# Altium PCB 2017_FDP_PCB.PcbDoc (part 2 of 3) (continued)
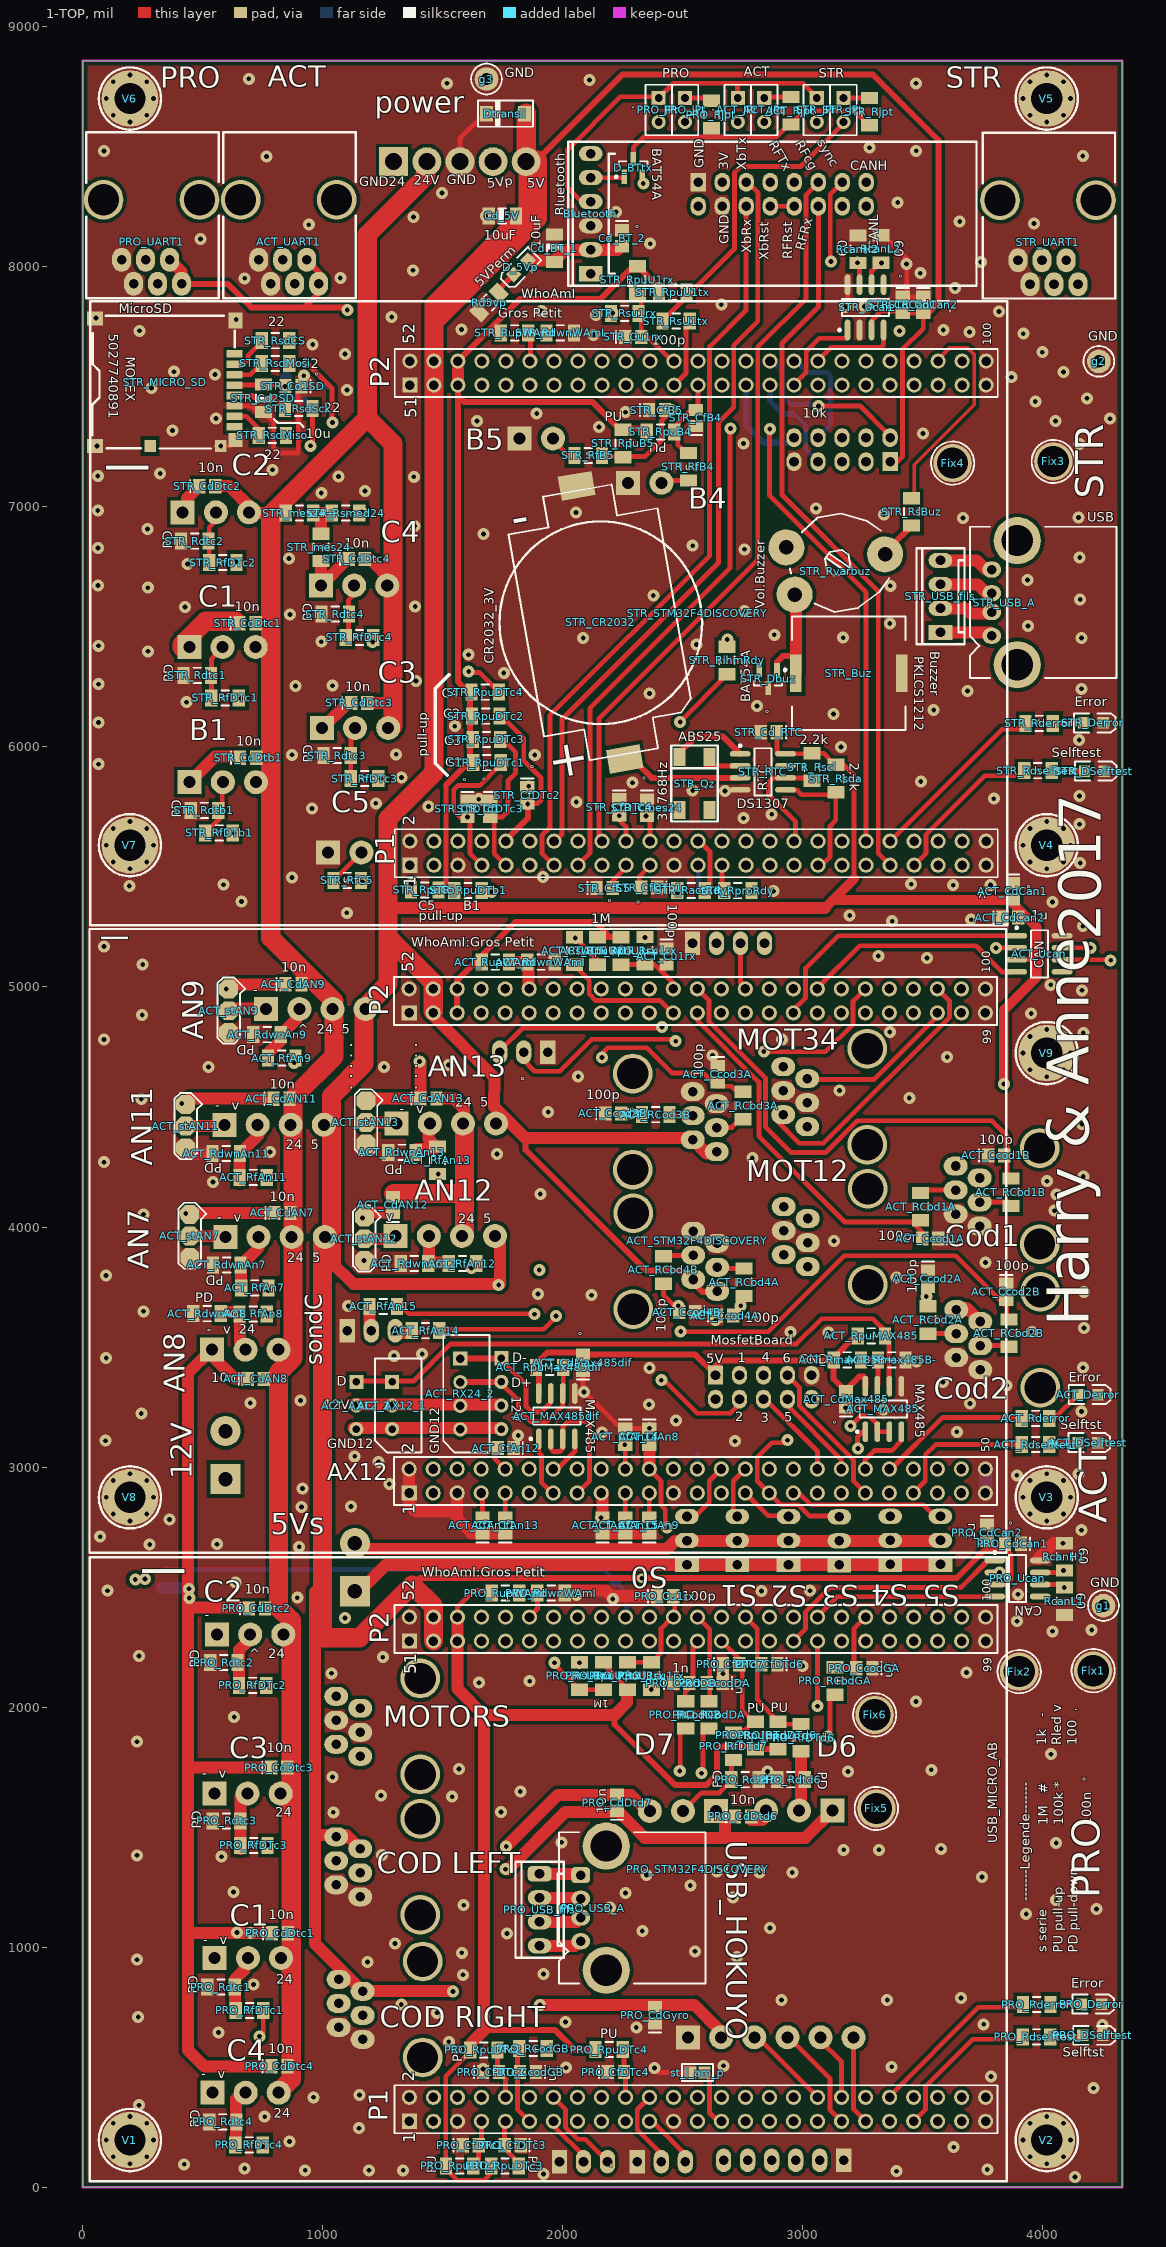
[diagram p0: 1-TOP view]
## Nets (pads, with @x,y where several pads share a name; then routed paths per layer and width w, separated by ;. In a path a pad name is that pad's centre, name@x,y a point inside that pad or via, vN(x,y) a via of type N, cw(c..) or ccw(c..) an arc to the next point about the centre after c; other vN are vias at no path point) (continued)
  1-TOP w20: ACT_STM32F4DISCOVERY.42@3367,2992 3581,3206 ACT_Rderror.1@3902,3206
ACT_PD11_SELFTEST: ACT_Rdselftest.1 ACT_STM32F4DISCOVERY.43 | length 602.5
  1-TOP w20: ACT_STM32F4DISCOVERY.43@3460,2892 3510,2942 3510,3051 3553,3094 ACT_Rdselftest.1@3915,3094
ACT_PD12_RUN: ACT_STM32F4DISCOVERY.44
ACT_PD13_CAN: ACT_STM32F4DISCOVERY.45
ACT_PD14_UART: ACT_STM32F4DISCOVERY.46
ACT_PD15_USER: ACT_STM32F4DISCOVERY.47
ACT_PE5_COD3A: ACT_Ccod3A.2 ACT_RCod3A.1 ACT_STM32F4DISCOVERY.64 | length 1080.5
  1-TOP w20: v1@2150,4709 2188,4747 2349,4747 2455,4641 2586,4641 2641,4586 2702,4586 2724.91,4563.09 ACT_RCod3A.1@2751,4563.09
  3-SIGNAL w20: ACT_STM32F4DISCOVERY.64@1960,4992 1965,4992 2011.5,4945.5 2011.5,4846.5 v1@2165.5,4692.5
  other v1: 2163,4706
ACT_PE6_COD3B: ACT_Ccod3B.2 ACT_RCod3B.1 ACT_STM32F4DISCOVERY.61 | length 703.8
  1-TOP w20: ACT_Ccod3B.2@2243.46,4473 ACT_RCod3B.1@2321,4473
  3-SIGNAL w20: ACT_STM32F4DISCOVERY.61@1860,4892 1949,4803 1950,4804 1978,4804 2170,4612 2170,4561 v1@2275,4456
  other v1: 2283,4473
ACT_PE8_I_AM_ACT: ACT_STM32F4DISCOVERY.26 st_i_am_a.2 | length 70.4
  4-BOT w20: ACT_STM32F4DISCOVERY.26@2560,2990 2561,2991 st_i_am_a.2@2561,3060
ACT_PE10_MOSFET_7: ACT_8_MOSFET.2 ACT_STM32F4DISCOVERY.28 Servo0.3 | length 547.2
  1-TOP w20: Servo0.3@2548,2791 2610,2853 2610,2942 ACT_STM32F4DISCOVERY.28@2660,2992
  3-SIGNAL w25: ACT_8_MOSFET.2@2635,3282 2635,3019 ACT_STM32F4DISCOVERY.28@2661,2993
ACT_PE11_SERVO: ACT_STM32F4DISCOVERY.29 Servo1.3 | length 201.4
  1-TOP w20: ACT_STM32F4DISCOVERY.29@2760,2892 2855,2797 Servo1.3@2922,2797
ACT_PE12_SERVO: ACT_STM32F4DISCOVERY.30 Servo2.3 | length 200.7
  1-TOP w20: Servo2.3@2710,2812 2710,2942 ACT_STM32F4DISCOVERY.30@2760,2992
ACT_PE13_MOSFET_8: ACT_8_MOSFET.10 ACT_STM32F4DISCOVERY.31 Servo3.3 | length 858.7
  1-TOP w20: v1@2933,3101 2870,3101 2810,3041 2810,2942 ACT_STM32F4DISCOVERY.31@2860,2892 2908.5,2843.5 2981.5,2843.5 3029,2796 Servo3.3@3152,2796
  3-SIGNAL w20: v1@2940,3112 3035,3207 ACT_8_MOSFET.10@3035,3282
  other v1: 2936,3112
ACT_PE14_SERVO: ACT_STM32F4DISCOVERY.32 Servo4.3 | length 648.7
  3-SIGNAL w20: ACT_STM32F4DISCOVERY.32@2860,2992 2911.5,2940.5 2911.5,2871.42 2939.92,2843 2982,2843 3081,2744 3292,2744 Servo4.3@3344,2796
ACT_PE15_SERVO: ACT_STM32F4DISCOVERY.33 Servo5.3 | length 627.8
  1-TOP w20: ACT_STM32F4DISCOVERY.33@2960,2892 2983,2892 3032,2843 3325.7,2843 3326.2,2843.5 3501.5,2843.5 Servo5.3@3548,2797
ACT_U1RX: ACT_JPr.2 ACT_Rsu1rx.2 ACT_UART1.4 | length 7387.8
  3-SIGNAL w20: ACT_UART1.4@834,8059 754,8139 725,8139 ; v1@2344,5199 2300,5155 916,5155 703,5368 703,5373.4 678.4,5398 673,5398 628,5443 628,5443.4 603.4,5468 603,5468 183,5888 183,7539 619,7975 619,8033 725,8139 ; ACT_JPr.2@2731,8608 2589,8608 2495,8514 2349,8514 2248,8615 1201,8615 725,8139
  other v1: 2342,5206
ACT_U1TX: ACT_JPt.2 ACT_RpuU1tx.1 ACT_RsU1tx.1 ACT_UART1.3 | length 7429.2
  1-TOP w20: ACT_RsU1tx.1@2049,5207.09 ACT_RpuU1tx.1@2147,5109.09
  3-SIGNAL w20: ACT_UART1.3@882,7908 807,7833 ; v1@2046,5203 924,5203 216,5911 216,7497 552,7833 807,7833 ; ACT_JPt.2@2843,8594 2846,8591 2792,8591 2747,8546 2582,8546 2517,8481 2332,8481 2240,8573 1251,8573 1172,8494 1172,7962 1043,7833 807,7833
  other v1: 2052,5204
BT_URX: ACT_JPr.1 Bluetooth.4 PRO_JPr.1 STR_JPr.1 | length 1516.3
  1-TOP w20: Bluetooth.4@2116,8271 2079,8271 2018,8332 2018,8486 2240,8708 PRO_JPr.1@2383,8708 ; Bluetooth.4@2116,8276 Bluetooth.4@2135,8276 ; PRO_JPr.1@2400,8703 2461,8764 3000,8764 3060,8704 STR_JPr.1@3060,8700 ; ACT_JPr.1@2728,8715 2728,8764
BT_UTX: ACT_Rjpt.2 D_BTtx.3 PRO_Rjpt.2 STR_Rjpt.2 | length 1163.8
  1-TOP w20: D_BTtx.3@2294,8457 2294,8497 2338,8541 2890,8541 2955,8606 ACT_Rjpt.2@2955,8607.91 ; PRO_Rjpt.2@2620,8553 PRO_Rjpt.2@2620,8599 ; ACT_Rjpt.2@2950,8592.91 3006.61,8649.53 3213.47,8649.53 STR_Rjpt.2@3272,8591
CANH: ACT_Ucan.7 COMRF.15 PRO_Ucan.7 RcanH1.2 RcanH2.1 STR_Ucan.7 | length 6720.4
  1-TOP w20: STR_Ucan.7@3236,7925.49 RcanH2.1@3236,8011 ; PRO_Ucan.7@3988.49,2561 RcanH1.2@4088,2561 ; ACT_Ucan.7@4079.49,5163 v1@4203,5163
  3-SIGNAL w20: v1@3214,8015.9 3214,8302 COMRF.15@3264,8352 ; v1@3216.5,8030.5 3455,7792 3698,7792 4217,7273 4217,2692 v1@4104,2579
  other v1: 4085,2569 4198,5163 3228,8017
CANL: ACT_Ucan.6 COMRF.16 PRO_Ucan.6 RcanL1.1 RcanL2.1 STR_Ucan.6 | length 6734.2
  1-TOP w20: STR_Ucan.6@3286,7925.49 3286,7982 RcanL2.1@3312,8008 ; PRO_Ucan.6@3988.49,2511 RcanL1.1@4079,2511 ; ACT_Ucan.6@4079.49,5113 v1@4273,5113
  3-SIGNAL w20: COMRF.16@3271,8253 3327,8197 3327,8007 3495,7839 3714,7839 4259,7294 4259,2667 v1@4094,2502
  other v1: 4089,2498 4282,5111 3327,8016
GND: ACT_8_MOSFET.9 ACT__Mot12.3 ACT__Mot12.4 ACT_Ccod1A.1 ACT_Ccod1B.1 ACT_Ccod2A.1 ACT_Ccod2B.1 ACT_Ccod3A.1 ACT_Ccod3B.1 ACT_Ccod4A.1 ACT_Ccod4B.1 ACT_CdCan1.1 ACT_CdCan2.1 ACT_CdMax485.1 ACT_CdMax485dif.1 ACT_CfAn7.1 ACT_CfAn8.1 ACT_CfAn9.1 ACT_CfAn11.1 ACT_CfAn12.1 ACT_CfAn13.1 ACT_CfAn14.1 ACT_CfAn15.1 ACT_cod1.5 ACT_cod1.6 ACT_cod2.5 ACT_cod2.6 ACT_cod3.5 ACT_cod3.6 ACT_cod4.5 ACT_cod4.6 ACT_Cu1rx.1 ACT_currentMot.1 ACT_Derror.2 ACT_DSelftest.2 ACT_MAX485.5 ACT_MAX485dif.5 ACT_mot34.3 ACT_mot34.4 ACT_RdwnAn7.1 ACT_RdwnAn8.1 ACT_RdwnAn9.1 ACT_RdwnAn11.1 ACT_RdwnAn12.1 ACT_RdwnAn13.1 ACT_RdwnWAmI.1 ACT_RFU.1 ACT_Rmax485B-.1 ACT_stAN7.3 ACT_stAN9.3 ACT_stAN11.3 ACT_stAN12.3 ACT_stAN13.3 ACT_STM32F4DISCOVERY.1 ACT_STM32F4DISCOVERY.2 ACT_STM32F4DISCOVERY.5 ACT_STM32F4DISCOVERY.23 ACT_STM32F4DISCOVERY.49 ACT_STM32F4DISCOVERY.50 ACT_STM32F4DISCOVERY.51 ACT_STM32F4DISCOVERY.52 ACT_STM32F4DISCOVERY.99 ACT_STM32F4DISCOVERY.100 ACT_UART1.5 ACT_UART1.6 ACT_Ucan.2 ACT_Ucan.8 Alim.3 Bluetooth.3 Cd_5V.1 Cd_BT_1.1 Cd_BT_2.1 COMRF.1 COMRF.4 Dtransil.1 Fix1.1 Fix2.1 Fix3.1 Fix4.1 Fix5.1 Fix6.1 g1.1 g2.1 g3.1 PRO_CcodDA.1 PRO_CcodDB.1 PRO_CcodGA.1 PRO_CcodGB.1 PRO_CdCan1.1 PRO_CdCan2.1 PRO_CdGyro.1 PRO_CfDTc1.1 PRO_CfDTc2.1 PRO_CfDTc3.1 PRO_CfDTc4.1 PRO_CfDTd6.1 PRO_CfDTd7.1 PRO_codDroite.5 PRO_codDroite.6 PRO_codGauche.5 PRO_codGauche.6 PRO_Cu1rx.1 PRO_currentMot.1 PRO_Derror.2 PRO_DSelftest.2 PRO_gyro.1 PRO_Motors.3 PRO_Motors.4 PRO_Rdtc1.1 PRO_Rdtc2.1 PRO_Rdtc3.1 PRO_Rdtc4.1 PRO_Rdtd6.1 PRO_Rdtd7.1 PRO_RdwnWAmI.1 PRO_STM32F4DISCOVERY.1 PRO_STM32F4DISCOVERY.2 PRO_STM32F4DISCOVERY.5 PRO_STM32F4DISCOVERY.23 PRO_STM32F4DISCOVERY.49 PRO_STM32F4DISCOVERY.50 PRO_STM32F4DISCOVERY.51 PRO_STM32F4DISCOVERY.52 PRO_STM32F4DISCOVERY.99 PRO_STM32F4DISCOVERY.100 PRO_UART1.5 PRO_UART1.6 PRO_UART2.1 PRO_Ucan.2 PRO_Ucan.8 RcanH1.1 RcanH2.2 RcanL1.2 RcanL2.2 Rd5vp.2 RFU.1 st_i_am_a.1 st_i_am_p.1 st_i_am_s.1 STR_8_MOSFET.9 STR_Buz.2 STR_Cd1SD.1 STR_Cd2SD.1 STR_Cd_RTC.2 STR_CdCan1.1 STR_CdCan2.1 STR_CfB4.1 STR_CfB5.1 STR_CfC5.1 STR_CfDTb1.1 STR_CfDTc1.1 STR_CfDTc2.1 STR_CfDTc3.1 STR_CfDTc4.1 STR_Cmes24.1 STR_CR2032.- STR_Cu1rx.1 STR_Dbuz.3 STR_Derror.2 STR_DSelftest.2 STR_MICRO_SD.0 STR_MICRO_SD.6 STR_MICRO_SD.9 STR_PB4.1 STR_PB5.1 STR_PC5.1 STR_Rdtb1.1 STR_Rdtc1.1 STR_Rdtc2.1 STR_Rdtc3.1 STR_Rdtc4.1 STR_RdwnWAmI.1 STR_RTC.4 STR_STM32F4DISCOVERY.1 STR_STM32F4DISCOVERY.2 STR_STM32F4DISCOVERY.5 STR_STM32F4DISCOVERY.23 STR_STM32F4DISCOVERY.49 STR_STM32F4DISCOVERY.50 STR_STM32F4DISCOVERY.51 STR_STM32F4DISCOVERY.52 STR_STM32F4DISCOVERY.99 STR_STM32F4DISCOVERY.100 STR_UART1.5 STR_UART1.6 STR_Ucan.2 STR_Ucan.8 TOR.1 V1.1 V2.1 V3.1 V4.1 V5.1 V6.1 V7.1 V8.1 V9.1 | length 3917.7
  1-TOP w20: STR_MICRO_SD.9@574.34,7253.14 612.14,7253.14 STR_MICRO_SD.0@639,7280 ; STR_MICRO_SD.6@633,7420.46 701.54,7420.46 STR_Cd2SD.1@734,7388 ; STR_Cd2SD.1@753,7394.91 796,7351.91 796,7246 818,7224 898,7224 898,7489 STR_Cd1SD.1@903,7494 ; Alim.3@1571.59,8438 1571.59,8535.59 Dtransil.1@1674,8638 ; ACT_MAX485dif.5@2050,3306.49 2067.49,3306.49 v1@2080,3319 ; v1@2081,3298 2106,3298 2246,3158 2260,3158 2262.46,3160.46 ACT_CfAn8.1@2360,3160.46 ; v1@2084,3301 ACT_CdMax485dif.1@2084,3401.54 ; v1@2387,491 2400,478 st_i_am_p.1@2531,478 ; STR_Ucan.8@3187,7930 3187,7867 3236,7818 ; 3362,8104 3363.07,8104 3432.54,8034.54 3432.54,7874.46 STR_CdCan2.1@3501,7874.46 ; v1@3812,5161 3814,5163 ACT_Ucan.2@3890.51,5163
  1-TOP w50: ACT_stAN11.3@413,4331 437,4307 ACT_RdwnAn11.1@540,4307 ; STR_Rdtc3.1@1002.91,5964 1002.91,5964.09 STR_Rdtc3.1@1005,5962 ; ACT_STM32F4DISCOVERY.2@1360,2992 ACT_STM32F4DISCOVERY.1@1360,2892 1360,2843 1388,2815 1537,2815 1559,2837 ; STR_STM32F4DISCOVERY.51@1363,7506 STR_STM32F4DISCOVERY.51@1363,7507 ; ACT_STM32F4DISCOVERY.5@1560,2892 1560,2784 1620,2724 1664.54,2724 ACT_CfAn11.1@1665,2723.54 ACT_CfAn13.1@1760,2723.54 ; PRO_RdwnWAmI.1@2008.09,2485 2180,2485 2202,2463 PRO_Cu1rx.1@2391,2463 ; ACT_CfAn7.1@2165,2723.54 ACT_CfAn15.1@2260,2723.54 ACT_CfAn9.1@2360,2723.54 ; PRO_Ucan.8@3979,2618 4044.09,2683.09 RcanH1.1@4089,2683.09
  3-SIGNAL w50: STR_STM32F4DISCOVERY.51@1363,7507 STR_STM32F4DISCOVERY.52@1363,7604
  4-BOT w50: ACT_STM32F4DISCOVERY.50@3759,2990 3760,2989 ACT_STM32F4DISCOVERY.49@3760,2892 ; ACT_STM32F4DISCOVERY.50@3760,2992 ACT_STM32F4DISCOVERY.50@3769,2992 ; PRO_STM32F4DISCOVERY.49@3761,281 PRO_STM32F4DISCOVERY.49@3762,280
  other v1: 4133,43 1920,55 3390,67 927,71 1192,71 1335,71 3768,74 675,78 423,96 3628,167 1825,174 862,191 1151,246 758,294 234,342 961,375 1153,384 4211,413 3783,462 1667,493 2382,497 2013,498 3370,502 2669,506 1525,606 566,645 2306,666 4247,677 3753,679 2011,688 231,709 1476,727 1327,761 2911,780 3351,780 3659,788 712,845 1584,885 1920,888 1186,938 226,948 2726,959 1579,977 2551,983 1301,1016 1768,1057 2331,1068 2863,1080 3930,1139 4223,1159 2196,1165 1587,1175 4055,1196 2709,1207 2261,1226 628,1230 2531,1257 3746,1293 2349,1301 2820,1311 2956,1311 2642,1316 578,1377 226,1383 1247,1384 3170,1406 3317,1406 3575,1410 4055,1434 1995,1437 1044,1562 1742,1563 1539,1627 1242,1632 1823,1649 1041,1709 2853,1732 3188,1732 3535,1739 1568,1743 4034,1804 226,1856 631,1959 3471,2023 1651,2102 1862,2108 2667,2139 1037,2141 3681,2144 2998,2171 1250,2208 234,2213 4040,2316 4203,2322 3892,2358 1092,2372 2208,2451 894,2456 2057,2468 3896,2470 2827,2484 103,2485 3029,2485 636,2519 3819,2561 902,2668 279,2677 560,2679 4084,2683 73,2710 4161,2737 362,2782 912,2834 1117,2836 915,2911 1277,2929 3891,2966 4149,2972 1232,3021 1133,3045 2717,3108 95,3110 1814,3131 2164,3145 3641,3147 2361,3162 2471,3194 244,3223 4160,3232 3336,3239 3178,3247 2359,3261 3696,3265 698,3267 907,3277 2088,3313 3848,3340 3583,3354 2361,3413 4167,3414 3474,3440 98,3455 1297,3463 1414,3471 3107,3561 2948,3562 3954,3562 4171,3579 2636,3612 253,3649 1106,3671 2119,3716 1896,3721 4170,3730 3390,3790 97,3798 3760,3852 1172,3861 3130,3942 253,4053 4048,4068 4057,4135 1906,4138 543,4188 4017,4191 4168,4211 89,4270 2789,4287 1726,4304 780,4313 4163,4429 1939,4479 244,4533 3443,4537 3152,4569 2064,4627 524,4666 1256,4666 1524,4675 3601,4708 2623,4714 89,4781 2912,4781 4168,4809 3362,4812 248,4883 3951,4889 4163,4986 4032,5009 250,5094 1964,5102 3517,5120 3314,5129 3804,5162 89,5168 4166,5253 3372,5274 3701,5280 3195,5298 1100,5309 4040,5354 661,5356 2878,5399 2407,5415 194,5420 3626,5424 3781,5425 586,5426 3451,5428 872,5456 1917,5458 4155,5516 4152,5678 2752,5703 2870,5719 955,5743 1441,5752 1221,5765 2056,5771 1650,5782 3795,5784 4152,5796 2675,5816 2541,5818 1858,5836 2290,5851 3491,5856 1328,5872 66,5928 1883,5966 872,5967 1306,5969 3159,5999 4151,6029 1550,6086 66,6101 3127,6137 3545,6154 2809,6170 432,6186 2361,6222 3685,6233 4160,6242 886,6254 1040,6255 66,6261 1388,6274 1754,6308 1607,6384 272,6398 66,6421 2557,6427 994,6438 4160,6453 2085,6454 3168,6455 2881,6467 3937,6503 3362,6514 864,6551 2757,6566 426,6583 1385,6585 4155,6614 2377,6630 271,6663 3364,6671 64,6672 3935,6695 437,6762 859,6785 4153,6789 2757,6823 64,6828 2541,6838 1669,6887 270,6907 1383,6920 3667,6953 4148,6956 3338,6967 2055,6976 63,6985 3055,6994 994,7057 1176,7066 1379,7125 1065,7126 63,7128 323,7139 790,7154 60,7253 575,7253 4153,7262 2752,7264 3500,7305 374,7318 2151,7333 1643,7358 4052,7358 4279,7367 555,7368 1891,7389 2261,7394 3968,7439 4183,7452 1101,7487 287,7495 3869,7540 921,7546 551,7551 4085,7561 380,7563 1092,7637 3997,7644 958,7676 2128,7716 3918,7721 3694,7728 3402,7732 237,7733 3585,7736 1578,7739 640,7780 55,7786 1287,7791 2139,7800 3817,7813 1911,7816 3176,7832 3257,7834 2660,7843 3634,7911 675,7952 1073,7953 3489,7973 1376,7985 3432,8011 3742,8020 2364,8096 491,8115 942,8175 3963,8180 3653,8189 1378,8207 1679,8212 2222,8228 3395,8268 1497,8307 765,8459 4166,8461 89,8482 3472,8483 3277,8496 1517,8764 3471,8764 2111,8778 692,8783
GND_5: 5V_servos.1 Servo0.1 Servo1.1 Servo2.1 Servo3.1 Servo4.1 Servo5.1 | length 2462.1
  1-TOP w50: 5V_servos.1@1156,2486 1262,2592 3570,2592 Servo5.1@3573,2595
GND_12: 12V.1 ACT_AX12_1.3 ACT_AX12_2.3 ACT_RX24.4 ACT_RX24_2.4 | length 1799.4
  1-TOP w50: ACT_AX12_2.3@1128,3162.72 ACT_RX24.4@1744,3162.72
  2-GND w50: 12V.1@637,2954 678.15,2995.15 970.15,2995.15 ACT_AX12_2.3@1130,3155 ; ACT_AX12_2.3@1124,3159.15 ACT_RX24.4@1729.15,3159.15 ; ACT_AX12_2.3@1125,3157 ACT_AX12_2.3@1127,3157
GND_24: ACT_AN8.1 ACT_CdAN7.1 ACT_CdAN8.1 ACT_CdAN9.1 ACT_CdAN11.1 ACT_CdAN12.1 ACT_CdAN13.1 ACT_stAN7.1 ACT_stAN9.1 ACT_stAN11.1 ACT_stAN12.1 ACT_stAN13.1 Alim.1 MOS_Capt.2 PRO_CdDtc1.1 PRO_CdDtc2.1 PRO_CdDtc3.1 PRO_CdDtc4.1 PRO_CdDtd6.1 PRO_CdDtd7.1 STR_CdDtb1.1 STR_CdDtc1.1 STR_CdDtc2.1 STR_CdDtc3.1 STR_CdDtc4.1 STR_DTb1.1 STR_DTc1.1 STR_DTc2.1 STR_DTc3.1 STR_DTc4.1 STR_mes24-.1 | length 19121.5
  1-TOP w20: 2665,1578 2704,1539 2704,1531 PRO_CdDtd6.1@2717.54,1531
  1-TOP w50: STR_DTc2.1@398,6995.02 STR_DTc2.1@416.01,6977.01 ; ACT_stAN11.1@423,4511 447,4535 ACT_CdAN11.1@786,4535 ; ACT_stAN7.1@429,4059 ACT_CdAN7.1@800,4059 ; STR_DTc2.1@434,6991 434,7034.46 STR_CdDtc2.1@485.54,7086 ; STR_DTb1.1@447,5855 552,5960 STR_CdDtb1.1@637,5960 ; 449,1059 PRO_CdDtc1.1@786,1059 ; ACT_AN8.1@535,3488 438,3391 438,2416 ; ACT_AN8.1@538,3464 633,3369 ACT_CdAN8.1@665.54,3369 ; ACT_stAN9.1@628,5011 ACT_CdAN9.1@844.54,5011 ; PRO_CdDtc2.1@687,2416 438,2416 ; PRO_CdDtc3.1@770,1748 438,1748 ; PRO_CdDtc4.1@777,503 507,503 438,572 438,1748 ; STR_DTc4.1@992,6672 1066,6746 ; STR_DTc4.1@993,6672 1104,6783 STR_CdDtc4.1@1108.54,6783 ; STR_DTc4.1@993,6676 STR_mes24-.1@993,6773.91 ; STR_DTc3.1@998,6077 1104,6183 STR_CdDtc3.1@1118.54,6183 ; ACT_stAN12.1@1187,4061 ACT_CdAN12.1@1298,4061 ; ACT_stAN13.1@1193,4536 ACT_CdAN13.1@1406.54,4536 v1@1406.54,4687 ; v1@1770.5,1323.5 2011,1564 2233,1564 2341,1456 3010,1456 3123,1569 ; 2639,1567 2676,1530 2676,1469 ; 438,1748 438,2416
  1-TOP w80: STR_DTc1.1@414,6415 414,6426 511,6523 STR_CdDtc1.1@636,6523
  2-GND w50: 351,5903 404,5850 STR_DTb1.1@404,5858 ; v1@641,1060 1145,1060 1410,1325 v1(1761,1325) ; STR_DTc3.1@985,6076 987,6078 STR_DTc3.1@992,6083
  2-GND w80: 348,6078 987,6078 STR_DTc3.1@990,6078 ; 350,6672 STR_DTc4.1@992,6672 ; 417,4928 417,5661 345,5733 345,6985 474,7114 474,7802 576,7904 576,8008 1010,8442 Alim.1@1289,8442 ; 419,4080 419,3564 473,3510 ; 439,4998 439,4992 ; v1@589,4992 439,4992 ; 1148,4068 418,4068 418,4992 439,4992 ; v1@1402,4707 1402,4761 651,4761 439,4973 439,4992
  4-BOT w50: MOS_Capt.2@329.4,2495.6 438.4,2495.6 v1@442,2492
  other v1: 698,1060 643,1061 444,2455 443,2493 1165,4038 429,4056 413,4514 1403,4690 598,4991
GND_CAPT: MOS_Capt.3 PRO_DTc1.1 PRO_DTc2.1 PRO_DTc3.1 PRO_DTc4.1 PRO_DTd6.1 PRO_DTd7.1
  other v1: 219,2532 259,2534
IHM_I_AM_READY: COMRF.3 STR_RihmRdy.2 | length 2000.5
  3-SIGNAL w20: COMRF.3@2664,8352 2677,8352 2714.91,8314.09 2714.91,8200.91 2611.5,8097.5 2611.5,6523.5 v1@2682.5,6452.5
  other v1: 2685,6447
MAXD: ACT_AX12_1.1 ACT_AX12_2.1 ACT_MAX485.6 ACT_RpuMAX485.1 | length 2586.1
  1-TOP w20: ACT_AX12_2.1@1122,3358 1378,3358 1533,3513 2973,3513 3078,3618 3291,3618 3342.09,3566.91 ACT_RpuMAX485.1@3342.09,3547 3359,3530.09 3359,3341 ACT_MAX485.6@3362,3338
MAXD+: ACT_MAX485dif.6 ACT_RpuMax485dif.1 ACT_RX24.2 ACT_RX24_2.2 | length 726.9
  1-TOP w20: ACT_RX24.2@1740,3352 1814,3278 1814,3242 1867,3189 1933,3189 2000,3256 ACT_MAX485dif.6@2000,3306.49 ; ACT_MAX485dif.6@2002.09,3293.09 ACT_RpuMax485dif.1@2002.09,3417
  1-TOP w25: ACT_RX24_2.2@1573,3353.85 ACT_RX24.2@1749.15,3353.85
MAXD-: ACT_MAX485dif.7 ACT_RX24.1 ACT_RX24_2.1 | length 597.4
  1-TOP w20: ACT_RX24.1@1725,3446 1744,3446 1847,3343 1847,3253 1871,3229 1910,3229 1950,3269 ACT_MAX485dif.7@1950,3306.49
  1-TOP w25: ACT_RX24_2.1@1573,3452.28 ACT_RX24.1@1748.72,3452.28
NetACT_AN7_1: ACT_AN7.1 ACT_stAN7.2 | length 91
  1-TOP w50: ACT_stAN7.2@473,3962 ACT_AN7.1@564,3962
NetACT_AN7_2: ACT_AN7.2 ACT_RdwnAn7.2 ACT_RfAn7.2 | length 219.7
  1-TOP w50: ACT_RfAn7.2@659,3739 659,3840 733,3914 ACT_AN7.2@733,3928.02
NetACT_AN8_2: ACT_AN8.2 ACT_RdwnAn8.2 ACT_RfAn8.2 | length 254.7
  1-TOP w50: ACT_RdwnAn8.2@574,3644 577,3647 655,3647 655,3524 ACT_AN8.2@690,3489
NetACT_AN9_1: ACT_AN9.1 ACT_stAN9.2 | length 99
  1-TOP w50: ACT_stAN9.2@622.01,4911.01 ACT_AN9.1@721.01,4911.01
NetACT_AN9_2: ACT_AN9.2 ACT_RdwnAn9.2 ACT_RfAn9.2 | length 196.5
  1-TOP w50: ACT_RfAn9.2@773,4725 825.09,4777.09 ACT_RdwnAn9.2@825.09,4801 ACT_AN9.2@895.04,4870.96
NetACT_AN11_1: ACT_AN11.1 ACT_stAN11.2 | length 179
  1-TOP w50: ACT_stAN11.2@413,4421 ACT_AN11.1@592,4421
NetACT_AN11_2: ACT_AN11.2 ACT_RdwnAn11.2 ACT_RfAn11.2 | length 221.6
  1-TOP w50: ACT_RfAn11.2@654,4193 654,4305 ACT_AN11.2@731.5,4382.5
NetACT_AN12_1: ACT_AN12.1 ACT_stAN12.2 | length 114
  1-TOP w50: ACT_stAN12.2@1173,3951 ACT_AN12.1@1287,3951
NetACT_AN12_2: ACT_AN12.2 ACT_RdwnAn12.2 ACT_RfAn12.2 | length 180.4
  1-TOP w50: ACT_AN12.2@1442,3963 1442,3853 1511,3853 ACT_RfAn12.2@1512,3852
NetACT_AN13_1: ACT_AN13.1 ACT_stAN13.2 | length 89
  1-TOP w50: ACT_stAN13.2@1180,4436 ACT_AN13.1@1269,4436
NetACT_AN13_2: ACT_AN13.2 ACT_RdwnAn13.2 ACT_RfAn13.2 | length 195.8
  1-TOP w50: ACT_RdwnAn13.2@1390,4324 1461,4324 1472,4335 1440,4367 ACT_AN13.2@1440,4431
NetACT_cod1_3: ACT_cod1.3 ACT_RCod1A.2 | length 172
  1-TOP w20: ACT_RCod1A.2@3469,4154 ACT_cod1.3@3641,4154
NetACT_cod1_4: ACT_cod1.4 ACT_RCod1B.2 | length 130.7
  1-TOP w20: ACT_cod1.4@3736,4104 3861,4104 ACT_RCod1B.2@3865,4100
NetACT_cod2_3: ACT_cod2.3 ACT_RCod2A.2 | length 116.7
  1-TOP w20: ACT_RCod2A.2@3524,3560 3528,3556 ACT_cod2.3@3639,3556
NetACT_cod2_4: ACT_cod2.4 ACT_RCod2B.2 | length 129.1
  1-TOP w20: ACT_cod2.4@3739,3506 3861,3506 ACT_RCod2B.2@3866,3501
NetACT_cod3_3: ACT_cod3.3 ACT_RCod3A.2 | length 123.2
  1-TOP w20: ACT_cod3.3@2641,4414 2705,4414 ; 2705,4417 2736.91,4448.91 ACT_RCod3A.2@2751,4448.91
NetACT_cod3_4: ACT_cod3.4 ACT_RCod3B.2 | length 84
  1-TOP w20: ACT_RCod3B.2@2457,4464 ACT_cod3.4@2541,4464
NetACT_cod4_3: ACT_cod4.3 ACT_RCod4A.2 | length 112.1
  1-TOP w20: ACT_cod4.3@2642.91,3827.09 ACT_RCod4A.2@2755,3827.09
NetACT_cod4_4: ACT_cod4.4 ACT_RCod4B.2 | length 117
  1-TOP w20: ACT_RCod4B.2@2426,3882 ACT_cod4.4@2543,3882
NetACT_currentMot_2: ACT_currentMot.2 ACT_RfAn15.2 | length 97.9
  1-TOP w50: ACT_currentMot.2@1194.91,3571.09 ACT_RfAn15.2@1194.91,3669
NetACT_currentMot_3: ACT_currentMot.3 ACT_RfAn14.2 | length 62.9
  1-TOP w50: ACT_currentMot.3@1314,3559 ACT_RfAn14.2@1376.91,3559
NetACT_Derror_1: ACT_Derror.1 ACT_Rderror.2 | length 134.4
  1-TOP w20: ACT_Rderror.2@4051.66,3207 ACT_Derror.1@4146.66,3302
NetACT_DSelftest_1: ACT_DSelftest.1 ACT_Rdselftest.2 | length 115.7
  1-TOP w20: ACT_Rdselftest.2@4030,3102 ACT_DSelftest.1@4145.66,3102
NetACT_JPt_1: ACT_JPt.1 ACT_Rjpt.1 | length 98.1
  1-TOP w20: ACT_JPt.1@2851.91,8707.09 ACT_Rjpt.1@2950,8707.09
NetACT_MAX485_7: ACT_MAX485.7 ACT_Rmax485B+.1 ACT_Rmax485B-.2 | length 172.9
  1-TOP w20: ACT_Rmax485B+.1@3242.09,3447 ACT_Rmax485B-.2@3312.91,3447 3313,3447 ACT_MAX485.7@3313,3345
NetBluetooth_5: Bluetooth.5 D_BTtx.1 | length 135
  1-TOP w20: Bluetooth.5@2116,8371 D_BTtx.1@2251,8371
NetD_5Vp_2: D_5Vp.2 Rd5vp.1 | length 87.4
  1-TOP w25: Rd5vp.1@1734,7906 D_5Vp.2@1795.77,7967.77
NetPRO_codDroite_3: PRO_codDroite.3 PRO_RCodDB.2 | length 2225.6
  1-TOP w20: v1@2489,1729 PRO_RCodDB.2@2489,1915
  3-SIGNAL w20: PRO_codDroite.3@1066,765 997,765 985,777 985,892 1817,1724 v1@2479,1724
  other v1: 2487,1734
NetPRO_codDroite_4: PRO_codDroite.4 PRO_RCodDA.2 | length 2256.9
  1-TOP w20: v1@2584,1716 PRO_RCodDA.2@2584,1917
  3-SIGNAL w20: PRO_codDroite.4@1166,716 1359,716 1523,880 1523,1265 1916,1658 2527,1658 v1@2583,1714
  other v1: 2577,1725
NetPRO_codGauche_3: PRO_codGauche.3 PRO_RCodGB.2 | length 1912
  3-SIGNAL w20: PRO_codGauche.3@1056,1360 1010,1360 944,1294 944,662 1089,517 1223,517 1357,651 1863,651 v1@1938,576
  other v1: 1932,577
NetPRO_codGauche_4: PRO_codGauche.4 PRO_RCodGA.2 | length 2370.7
  1-TOP w20: v1@3113,1877 PRO_RCodGA.2@3113,2066
  3-SIGNAL w20: PRO_codGauche.4@1156,1310 1335,1310 1819,1794 3017,1794 v1@3102,1879
  other v1: 3105,1878
NetPRO_Derror_1: PRO_Derror.1 PRO_Rderror.2 | length 147.9
  1-TOP w20: PRO_Rderror.2@4031.09,761.01 PRO_Derror.1@4178.99,761.01
NetPRO_DSelftest_1: PRO_DSelftest.1 PRO_Rdselftest.2 | length 129.9
  1-TOP w20: PRO_Rdselftest.2@4030.09,627.01 PRO_DSelftest.1@4160.01,627.01
NetPRO_DTc1_2: PRO_DTc1.2 PRO_Rdtc1.2 PRO_RfDTc1.1 | length 245
  1-TOP w50: PRO_RfDTc1.1@634,727 634,866 675.01,907.01 PRO_DTc1.2@675.01,955.01
NetPRO_DTc2_2: PRO_DTc2.2 PRO_Rdtc2.2 PRO_RfDTc2.1 | length 235.3
  1-TOP w50: PRO_RfDTc2.1@652,2081 652,2239 684.01,2271.01 PRO_DTc2.2@684.01,2303.01
NetPRO_DTc3_2: PRO_DTc3.2 PRO_Rdtc3.2 PRO_RfDTc3.1 | length 236.2
  1-TOP w50: PRO_RfDTc3.1@658,1410 658,1526 658,1625 PRO_DTc3.2@673.01,1640.01
NetPRO_DTc4_2: PRO_DTc4.2 PRO_Rdtc4.2 PRO_RfDTc4.1 | length 235.8
  1-TOP w50: PRO_RfDTc4.1@639,169 639,273 639,368 PRO_DTc4.2@665.01,394.01
NetPRO_DTd6_2: PRO_DTd6.2 PRO_Rdtd6.2 PRO_RfDTd6.1 | length 230.9
  1-TOP w50: PRO_DTd6.2@2992,1585 PRO_RfDTd6.1@2992,1815.91
NetPRO_DTd7_2: PRO_DTd7.2 PRO_Rdtd7.2 PRO_RfDTd7.1 | length 331.4
  1-TOP w20: PRO_DTd7.2@2500.2,1567 2576.2,1643 2652,1643 2703,1694 PRO_RfDTd7.1@2703,1770
NetPRO_JPt_1: PRO_JPt.1 PRO_Rjpt.1 | length 110.1
  1-TOP w20: PRO_JPt.1@2505.91,8703.09 PRO_Rjpt.1@2616,8703.09
NetPRO_STM32F4DISCOVERY_27: PRO_STM32F4DISCOVERY.27 st_i_am_p.2 | length 230.4
  1-TOP w20: st_i_am_p.2@2591,478 2611,458 2611,311 PRO_STM32F4DISCOVERY.27@2650,272
NetPRO_USB_A_1: PRO_USB_A.1 PRO_USB_fils.1 | length 176.3
  1-TOP w50: PRO_USB_fils.1@1903,1006 2051,1006 PRO_USB_A.1@2071,1026
NetPRO_USB_A_2: PRO_USB_A.2 PRO_USB_fils.2 | length 155
  1-TOP w50: PRO_USB_fils.2@1903,1106 PRO_USB_A.2@2058,1106
NetPRO_USB_A_3: PRO_USB_A.3 PRO_USB_fils.3 | length 168
  1-TOP w50: PRO_USB_fils.3@1903,1206 PRO_USB_A.3@2071,1206
NetPRO_USB_A_4: PRO_USB_A.4 PRO_USB_fils.4 | length 163
  1-TOP w50: PRO_USB_fils.4@1903,1306 PRO_USB_A.4@2066,1306
NetSTR_Buz_1: STR_Buz.1 STR_Dbuz.1 STR_Rvarbuz.3 | length 434.9
  1-TOP w25: STR_Dbuz.1@2892.4,6320.4 2892.4,6354.4 2916,6378 STR_Buz.1@2966,6378
  1-TOP w50: STR_Buz.1@2970.53,6307 STR_Rvarbuz.3@2970.53,6624.53
NetSTR_CR2032_+: STR_CR2032.+ STR_RTC.3 | length 456.2
  1-TOP w25: STR_CR2032.+@2308,5933 2370,5871 STR_RTC.3@2738.51,5871
NetSTR_Derror_1: STR_Derror.1 STR_Rderror.2 | length 115.7
  1-TOP w20: STR_Rderror.2@4053,6100 STR_Derror.1@4168.66,6100
NetSTR_DSelftest_1: STR_DSelftest.1 STR_Rdselftest.2 | length 127.1
  1-TOP w20: STR_Rdselftest.2@4046,5900 4047,5899 STR_DSelftest.1@4172.66,5899
NetSTR_DTb1_2: STR_DTb1.2 STR_Rdtb1.2 STR_RfDTb1.1 | length 226
  1-TOP w20: STR_RfDTb1.1@510.91,5642 581,5712.09 STR_DTb1.2@581,5839
NetSTR_DTc1_2: STR_DTc1.2 STR_Rdtc1.2 STR_RfDTc1.1 | length 213.1
  1-TOP w20: STR_RfDTc1.1@535.91,6204 535.91,6365.91 553,6383 STR_DTc1.2@553,6410
NetSTR_DTc2_2: STR_DTc2.2 STR_Rdtc2.2 STR_RfDTc2.1 | length 207.8
  1-TOP w20: STR_RfDTc2.1@526.91,6768 526.91,6914.91 STR_DTc2.2@570,6958